# Allegro board reServer industrial J401 Carrier Board v11.brd (continued)
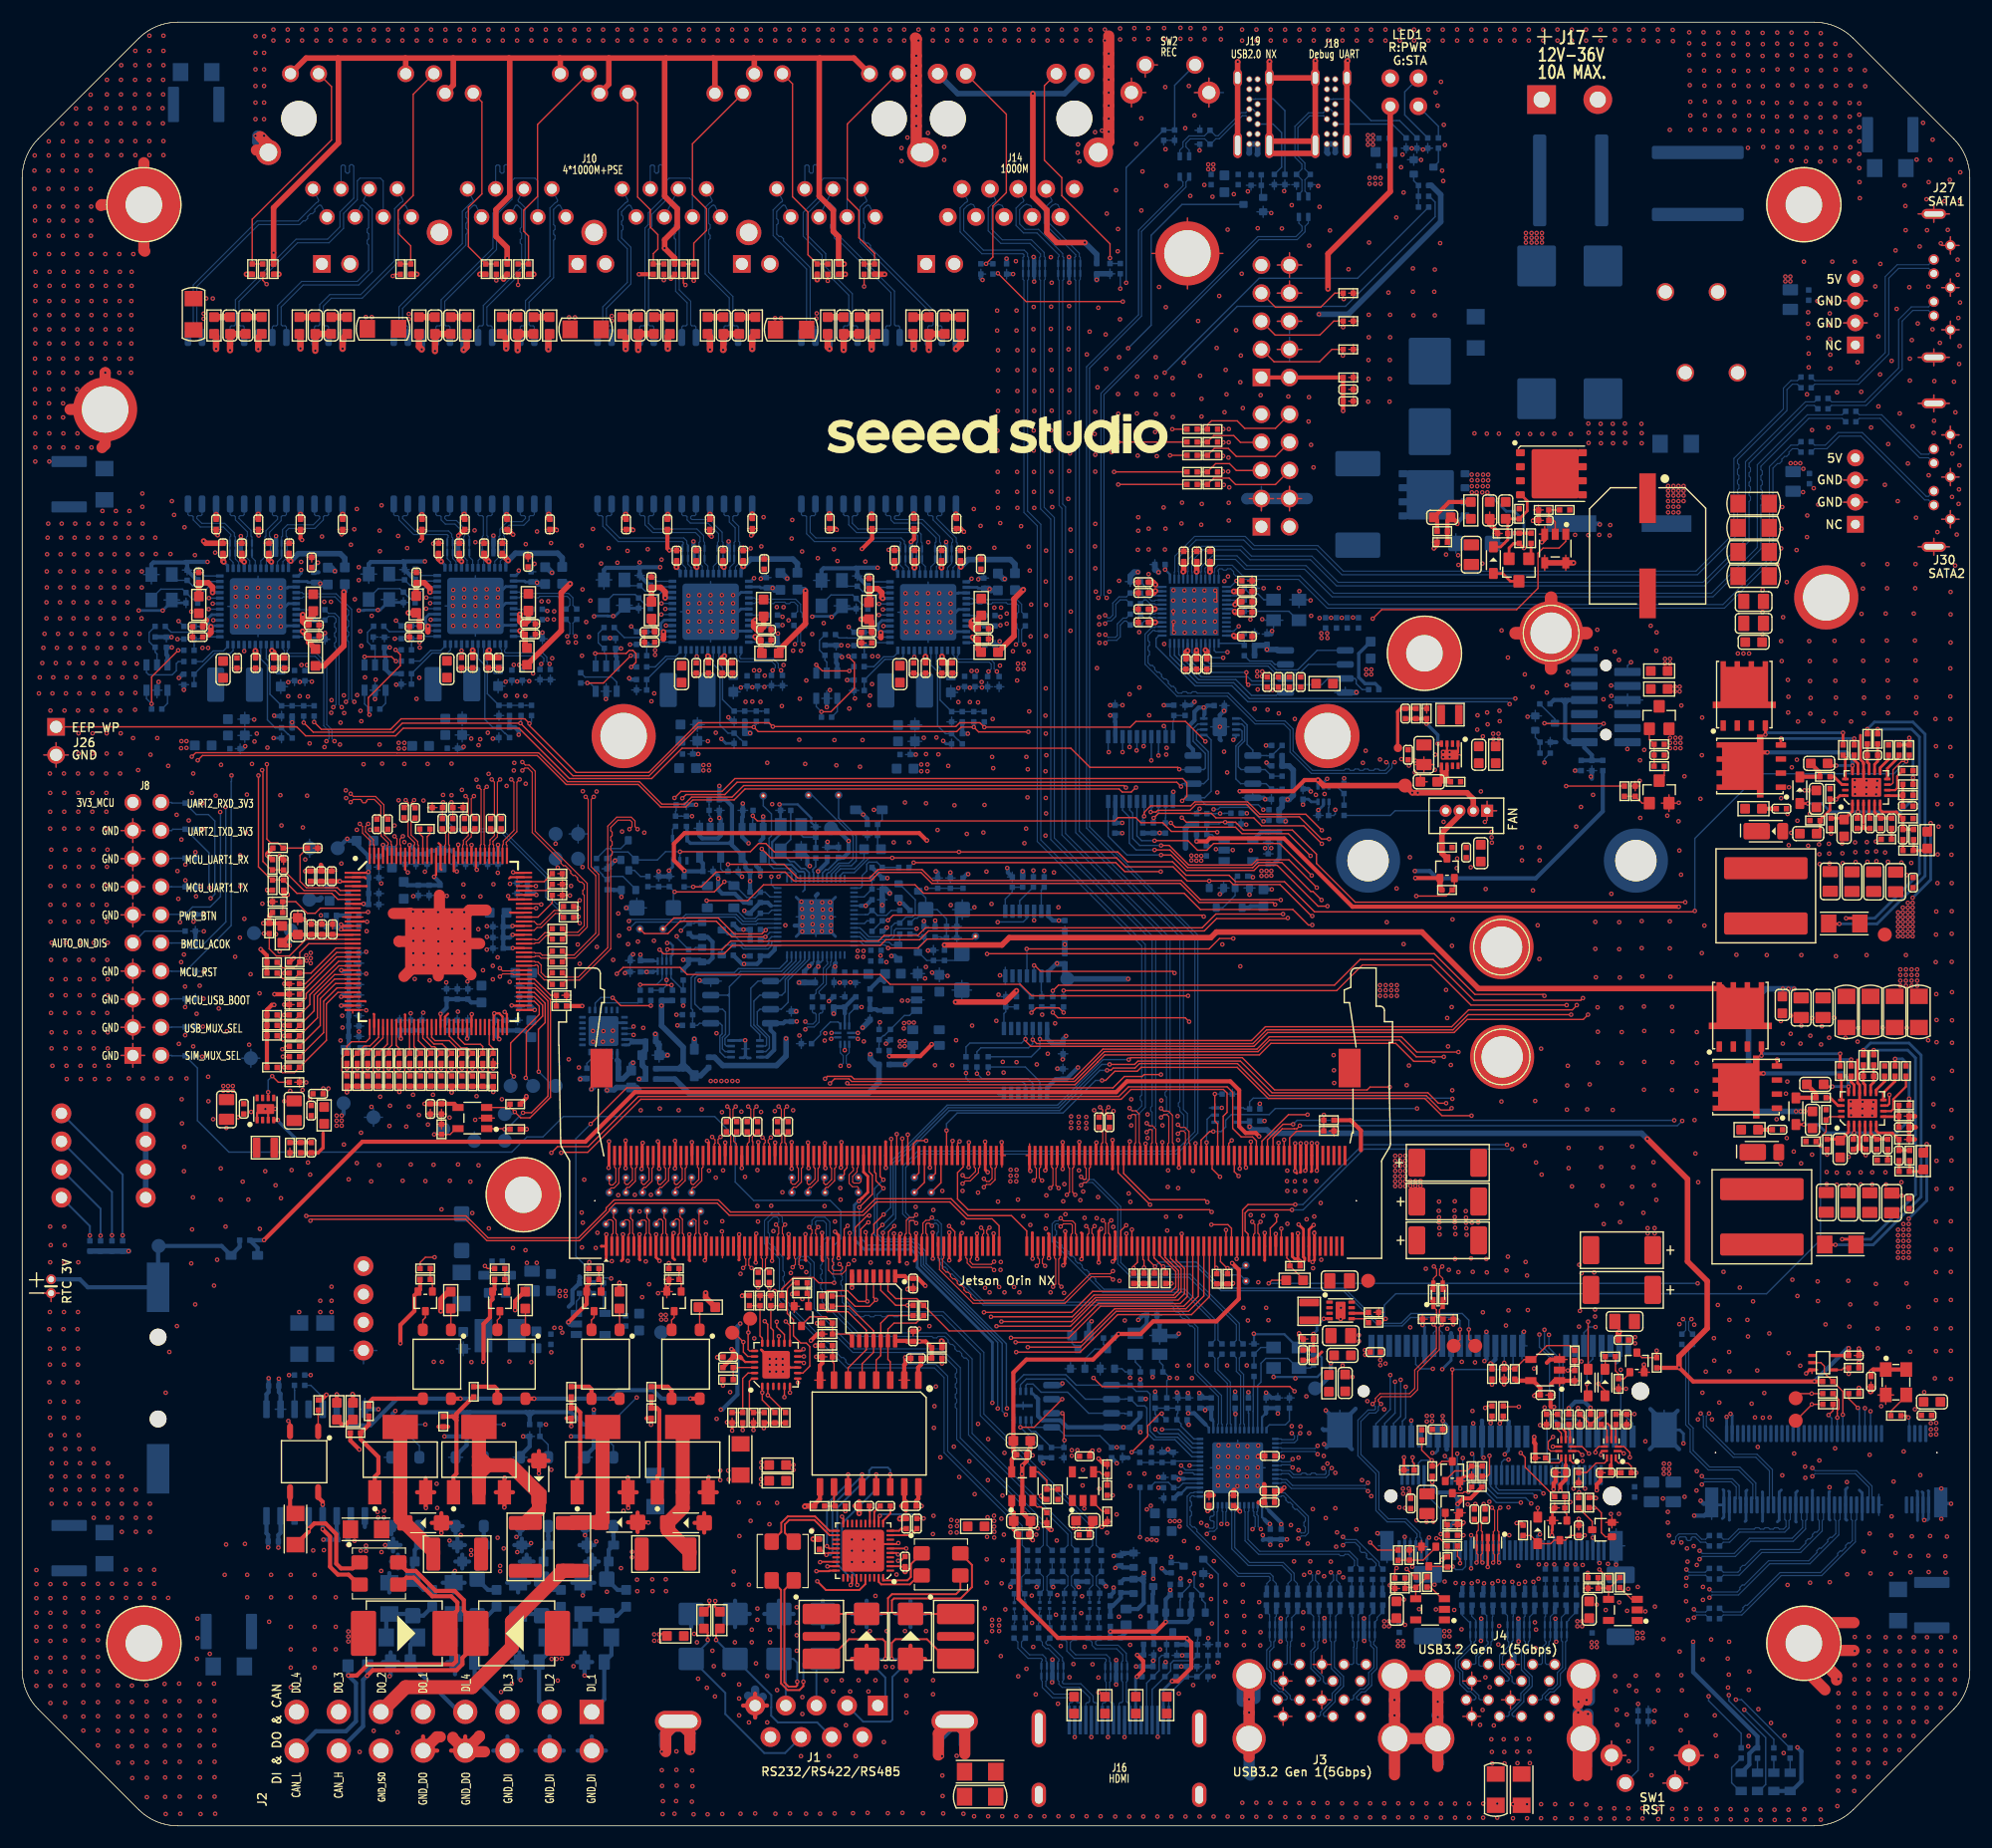
[diagram p0: board, top side]
## Routing (per net, layer and track width the routed paths; a pad name or vN(x,y) marks a point on that pad's centre or on a via; arc(x,y) is an arc through that point) (continued)
GND_DI: length 90.9
  LAY4 w0.381: J2.6 45.13,6.8 ; J2.6 43.85,8.08 ; J2.6 42.57,6.8 ; 46.38,6.8 J2.4 ; J2.4 47.66,8.08 ; J2.4 48.94,6.8 ; 50.19,6.8 J2.2 ; J2.2 52.75,6.8 ; J2.2 51.47,8.08
  GND05 w0.381: J2.2 52.75,6.8 ; J2.2 50.19,6.8 ; J2.2 51.47,8.08 ; J2.6 43.85,8.08 ; J2.6 42.57,6.8 ; J2.6 45.13,6.8 ; 46.38,6.8 J2.4 ; J2.4 48.94,6.8 ; J2.4 47.66,8.08
  BOTTOM w0.381: 44.99,26.34 Q4.2 ; Q4.2 44.36,27.08 ; Q4.2 45.62,27.08 ; R7.2 39.8,14.81 ; R7.2 38.43,14.81 ; R7.2 39.11,13.7 ; R7.2 39.11,15.68 ; J2.6 43.85,8.08 ; J2.6 45.13,6.8 ; J2.6 42.57,6.8 ; 33.95,23.26 C10.2 ; C10.2 33.33,23.89 ; C10.2 33.95,24.51 ; C10.2 34.58,23.89 ; C12.2 45.59,24.51 ; C12.2 46.21,23.89 ; C12.2 44.97,23.89 ; C12.2 45.59,23.26 ; 50.71,21.09 R26.2 ; R26.2 51.7,21.97 ; R26.2 50.71,22.85 ; R26.2 49.72,21.97 ; 50.25,27.08 Q5.2 ; Q5.2 51.52,27.08 ; Q5.2 50.88,26.34 ; 39,21.09 R22.2 ; R22.2 39.99,21.97 ; R22.2 38.01,21.97 ; R22.2 39,22.85 ; 39.77,23.26 C11.2 ; C11.2 39.77,24.51 ; C11.2 40.39,23.89 ; C11.2 39.15,23.89 ; R8.2 44.93,15.68 ; R8.2 44.24,14.81 ; R8.2 44.93,13.3 v1(45.04,13.18) ; R8.2 45.62,14.81 ; 50.86,23.89 C13.2 ; C13.2 52.1,23.89 ; C13.2 51.48,24.51 ; C13.2 51.48,23.26 ; D15.1 34.2,25.37 ; D15.1 33.52,25.95 ; D15.1 32.84,25.37 ; D15.1 33.52,24.8 ; R24.2 45.81,21.97 ; R24.2 44.81,21.09 ; R24.2 44.81,22.85 ; R24.2 43.82,21.97 ; D17.1 45.15,25.95 ; D17.1 44.47,25.37 ; D17.1 45.15,24.8 ; D17.1 45.83,25.37 ; R9.2 v1(50.82,13.59) ; R9.2 50.82,15.68 ; R9.2 50.14,14.81 ; R9.2 51.51,14.81 ; Q3.2 39.81,27.08 ; Q3.2 38.54,27.08 ; Q3.2 39.17,26.34 ; R6.2 33.3,13.62 v1(33.2,13.52) ; R6.2 33.98,14.81 ; R6.2 33.3,15.68 ; R6.2 32.61,14.81 ; D18.1 51.72,25.37 ; D18.1 51.04,24.8 ; D18.1 51.04,25.95 ; D18.1 50.37,25.37 ; D16.1 40.01,25.37 ; D16.1 39.33,25.95 ; D16.1 38.66,25.37 ; D16.1 39.33,24.8 ; R20.2 34.17,21.97 ; R20.2 33.18,21.09 ; R20.2 33.18,22.85 ; 46.38,6.8 J2.4 ; J2.4 48.94,6.8 ; J2.4 47.66,8.08 ; 50.19,6.8 J2.2 ; J2.2 52.75,6.8 ; J2.2 51.47,8.08 ; 32.72,27.08 Q2.2 ; Q2.2 33.36,26.34 ; Q2.2 33.99,27.08
  vias: v1(32.47,24.74) v1(32.45,23.04) v1(32.8,25.37) v1(38.62,25.78) v1(39.1,23.04) v1(39.63,26.29) v1(42.97,26.04) v1(43.28,12.1) v1(43.52,25.07) v1(44.26,12.85) v1(44.66,26.11) v1(44.74,24.74) v1(45.98,25.55) v1(48.4,13.13) v1(49.82,14.43) v1(50.66,20.83) v1(50.86,26.26) v1(51.88,25.7)
GND_DO: length 46.5
  TOP w0.381: 54.75,28.87 Q29.3 ; Q29.3 55.53,30.14 ; Q29.3 53.98,30.14 ; Q29.3 54.75,31.42 ; D64.1 55.62,28.31 ; D64.1 55.62,26.55 ; D64.1 54.74,27.43 ; D64.1 56.49,27.43 ; 37.63,36.07 R313.2 38.49,36.07 ; J2.8 40.04,8.08 ; J2.8 41.32,6.8 ; J2.8 38.76,6.8 ; D62.1 46.7,33.87 ; D62.1 46.7,32.12 ; D62.1 47.57,33 ; D62.1 45.82,33 ; R314.2 29.66,34.82 v1(30.47,34.01) ; 61.22,30.14 Q28.3 ; Q28.3 62.77,30.14 ; Q28.3 61.99,31.42 ; Q30.3 43.58,31.42 ; Q30.3 42.8,30.14 ; Q30.3 43.58,28.87 ; Q30.3 44.36,30.14 ; D63.1 38.76,27.38 ; D63.1 37.01,27.38 ; D63.1 37.89,28.26 ; D63.1 37.89,26.5 ; 35.69,30.14 Q31.3 ; Q31.3 36.47,28.87 ; Q31.3 36.47,31.42 ; Q31.3 37.25,30.14 ; 36.23,8.08 J2.10 37.51,6.8 ; 56.85,36.41 R311.2 56.43,36.83 ; D61.1 61.64,28.26 ; D61.1 61.64,26.5 ; D61.1 60.76,27.38 ; 49.19,36.83 R312.2 49.62,36.41
  TOP w1.016: J2.8 40.14,6.7 41.78,6.7 ; J2.8 41.32,8.08 41.32,8.12 ; J2.8 38.92,7.92 38.92,8 ; J2.10 37.47,8.04 37.79,8.04
  vias: v1(32.12,28.37) v1(32.17,27.86) v1(32.7,28.47) v1(32.68,27.87) v1(36.49,28.73) v1(37.46,30.91) v1(37.51,28.73) v1(37.88,26.47) v1(43.57,28.78) v1(43.6,31.47) v1(46.7,31.85) v1(47.81,32.18) v1(49.62,36.12) v1(52.84,21.16) v1(54.11,23.29) v1(54.34,28.47) v1(54.73,31.47) v1(54.77,28.73) v1(55.56,22.25) v1(55.59,21.21) v1(56.6,27.41) v1(56.83,36.24) v1(56.94,22.28) v1(56.96,21.21) v1(58.16,22.28) v1(58.18,21.21) v1(62.04,31.49) v1(63.09,32.11) v1(63.09,31.24) v1(63.8,32.11) v1(63.85,31.3)
GND_ISO: length 16.3
  TOP w0.127: 58.29,17.47 58.22,17.39 57.87,17.39 ; v1(57.59,16.72) 57.59,17.11 57.87,17.39 ; 57.87,17.39 57.65,17.39 v1(57.56,17.31)
  LAY3 w0.508: J2.12 33.7,6.8 ; J2.12 32.42,8.08 ; J2.12 31.14,6.8
  GND05 w0.635: 31.14,6.8 J2.12 ; J2.12 32.42,8.08 ; J2.12 33.7,6.8
  GND05 w1.27: U10.3 30.76,47.96 28.97,47.96
  BOTTOM w0.381: U7.15 23.35,26.48 23.15,26.29 C14.2 v1(23.15,25.15) ; U7.10 29.7,26.8 29.7,26.8 ; 30.97,27 U7.9
  vias: v1(18.31,22.68) v1(18.43,25.43) v1(20.13,25.48) v1(20.34,22.68) v1(20.34,20.65) v1(22.32,18.44) v1(22.5,22.68) v1(22.5,20.65) v1(24.27,22.68) v1(24.27,20.65) v1(24.27,17.99) v1(24.27,15.95) v1(24.27,14.3) v1(24.27,12.52) v1(25.04,46.43) v1(26.3,24.89) v1(26.43,22.68) v1(26.43,20.65) v1(26.43,17.99) v1(26.43,15.95) v1(26.43,14.3) v1(26.94,47.45) v1(26.94,46.43) v1(27.26,24.92) v1(27.96,48.72) v1(27.96,47.45) v1(27.96,46.43) v1(28.34,20.65) v1(28.34,17.99) v1(28.34,15.95) v1(28.39,12.47) v1(29.45,25.37) v1(29.47,17.58) v1(29.47,17.12) v1(29.47,16.66) v1(30.03,25.75) v1(30.5,6.68) v1(30.59,24.87) v1(31.07,25.32) v1(31.07,24.84) v1(31.77,8.59) v1(33.93,8.46) v1(37.9,55.71) v1(40.68,55.38) v1(42.18,53.99) v1(44.35,52.22) v1(45.48,52.02) v1(45.61,50.88) v1(46.5,50.88) v1(47.84,15.09) v1(48.3,15.09) v1(48.75,15.11) v1(57.11,17.31) v1(57.12,16.73)
GND_SHD1: length 233.1
  TOP w0.508: v1(109.85,159.41) 109.84,159.4 J19.S3 J19.S4 ; 116.85,152.24 J18.S4 116.85,151.14 112.7,151.14 J19.S1 112.7,152.24 ; 116.85,152.24 J18.S3 ; 116.85,152.24 112.7,152.24 ; 112.7,152.24 J19.S2 ; J19.S2 112.7,159.42 v1(112.72,159.44) ; J19.S2 J18.S3 ; v1(116.86,159.49) 116.85,159.48 J18.S3 ; v1(119.78,159.51) 119.71,159.45 J18.S2 J18.S1
  TOP w1.016: 80.8,151.93 v1(80.8,153.61) v1(80.8,154.52) v1(80.8,155.43) v1(80.8,156.33) v1(80.8,157.24) v1(80.8,158.15) v1(80.8,159.05) v1(80.8,159.96) 80.8,161.46 80.79,161.5 80.71,161.57 ; 80.8,151.93 80.8,151.54 J10.S5 ; 80.8,151.93 J14.15 ; 21.53,152.65 22.25,151.94 J10.S1 22.05,151.43 21.17,151.43 ; 37.23,144.47 J10.S2 38.12,144.4 ; 98.19,161.75 v1(98.19,160.15) v1(98.19,158.98) v1(98.19,157.8) v1(98.19,156.63) v1(98.19,155.45) v1(98.19,154.27) v1(98.19,153.1) 98.19,152.22 ; 98.19,152.22 98.19,152.18 J14.16 97.24,151.28 98.19,152.22 ; 65.97,143.67 J10.S4
  PWR02 w0.127: J10.S1 23.58,151.23 ; J10.S1 22.25,152.56 ; J10.S1 20.92,151.23
  PWR02 w0.508: J19.S1 J19.S2 112.7,159.42 v1(112.72,159.44) ; 109.77,159.68 109.84,159.62 J19.S3 J19.S4 ; J18.S4 J18.S3 116.85,159.48 v1(116.86,159.49) ; J18.S1 J18.S2 119.71,159.45 v1(119.78,159.51)
  PWR02 w1.016: J14.15 J10.S5 79.18,151.23 79.18,151.28 ; 21.31,153.1 21.31,152.17 J10.S1
  PWR02 w1.143: 97.24,152.76 J14.16 95.71,151.23 ; 81.49,152.76 J14.15 83.02,151.23
  LAY3 w0.127: 116.85,156.98 J18.S3 116.85,158.94 ; 109.84,158.94 J19.S3 109.84,156.98 ; 20.92,151.23 J10.S1 ; J10.S1 22.25,152.56 ; J10.S1 23.58,151.23 ; 112.7,156.98 J19.S2 112.7,158.94 ; 119.71,156.98 J18.S2 119.71,158.94
  LAY3 w0.508: J19.S1 112.7,156.98 ; J18.S1 119.71,156.98 ; J19.S4 109.84,156.98 ; J18.S4 116.85,156.98
  LAY3 w1.016: J10.S1 21.2,152.29 21.2,153.1 ; J14.15 J10.S5 78.76,151.23 78.76,151.21
  LAY3 w1.143: 97.24,152.76 J14.16 95.71,151.23 ; 83.02,151.23 J14.15 81.49,152.76
  LAY4 w0.127: J10.S4 65.65,145.32 ; J10.S4 66.98,143.99 ; J10.S4 64.32,143.99 ; J10.S4 65.65,142.66 ; 37.71,142.66 J10.S2 ; J10.S2 39.04,143.99 ; J10.S2 36.38,143.99 ; J10.S2 37.71,145.32 ; 50.35,143.99 J10.S3 ; J10.S3 53.01,143.99 ; J10.S3 51.68,142.66 ; J10.S3 51.68,145.32
  LAY4 w1.016: J10.S1 20.07,151.23 20.04,151.26 ; J10.S1 24.41,151.23 24.45,151.27 ; J10.S1 22.25,149.14 22.06,148.95 ; J10.S1 22.25,153.12 22.17,153.2 ; 78.69,151.17 78.69,151.23 J10.S5 J14.15
  LAY4 w1.143: J14.15 83.02,151.23 ; J14.15 81.49,152.76 ; J14.15 81.49,149.7 ; 97.24,152.76 J14.16 95.71,151.23
  GND05 w0.127: 64.32,143.99 J10.S4 ; J10.S4 65.65,145.32 ; J10.S4 65.65,142.66 ; J10.S4 66.98,143.99 ; J10.S2 37.71,145.32 ; J10.S2 37.71,142.66 ; J10.S2 39.04,143.99 ; J10.S2 36.38,143.99 ; J10.S3 51.68,145.32 ; J10.S3 51.68,142.66 ; J10.S3 50.35,143.99 ; J10.S3 53.01,143.99
  GND05 w1.016: 79.28,150.85 79.28,151.23 J10.S5 J14.15 ; J10.S1 22.25,152.98 22.18,153.06 ; J10.S1 22.25,149.43 22.11,149.29 ; J10.S1 20.36,151.23 20.35,151.24 ; J10.S1 24.54,151.23 24.63,151.14
  GND05 w1.143: J14.15 81.49,152.76 ; J14.15 81.49,149.7 ; J14.15 83.02,151.23 ; 95.71,151.23 J14.16 97.24,152.76
  BOTTOM w1.016: 21.29,152.71 21.29,152.19 J10.S1
  vias: v1(16.64,138.03) v1(17.23,138.02) v1(21.08,161.72) v1(21.08,160.23) v1(21.08,158.73) v1(21.08,157.23) v1(21.08,155.73) v1(21.08,154.23) v1(21.08,152.73) v1(21.86,161.72) v1(21.86,160.23) v1(21.86,158.73) v1(21.86,157.23) v1(21.86,155.73) v1(21.86,154.23) v1(21.86,152.73) v1(22.7,162.33) v1(22.7,161.34) v1(24,162.33) v1(24,161.34) v1(25.3,162.33) v1(25.3,161.34) v1(26.59,162.33) v1(26.59,161.34) v1(27.89,162.33) v1(27.89,161.34) v1(29.18,162.33) v1(29.18,161.34) v1(30.48,162.33) v1(30.48,161.34) v1(31.06,136.35) v1(31.59,136.35) v1(31.77,162.33) v1(31.77,161.34) v1(33.07,162.33) v1(33.07,161.34) v1(34.36,162.33) v1(34.36,161.34) v1(35.66,162.33) v1(35.66,161.34) v1(36.95,162.33) v1(36.95,161.34) v1(38.25,162.33) v1(38.25,161.34) v1(39.54,162.33) v1(39.54,161.34) v1(40.84,162.33) v1(40.84,161.34) v1(42.14,162.33) v1(42.14,161.34) v1(43.43,162.33) v1(43.43,161.34) v1(44.73,162.33) v1(44.73,161.34) v1(46.02,162.33) v1(46.02,161.34) v1(47.32,162.33) v1(47.32,161.34) v1(48.61,162.33) v1(48.61,161.34) v1(49.42,136.32) v1(49.91,162.33) v1(49.91,161.34) v1(49.95,136.32) v1(51.2,162.33) v1(51.2,161.34) v1(52.5,162.33) v1(52.5,161.34) v1(53.79,162.33) v1(53.79,161.34) v1(55.09,162.33) v1(55.09,161.34) v1(56.38,162.33) v1(56.38,161.34) v1(57.68,162.33) v1(57.68,161.34) v1(58.98,162.33) v1(58.98,161.34) v1(60.27,162.33) v1(60.27,161.34) v1(61.57,162.33) v1(61.57,161.34) v1(62.86,162.33) v1(62.86,161.34) v1(64.16,162.33) v1(64.16,161.34) v1(65.45,162.33) v1(65.45,161.34) v1(66.75,162.33) v1(66.75,161.34) v1(68.04,162.33) v1(68.04,161.34) v1(68.04,136.25) v1(68.57,136.25) v1(69.34,162.33) v1(69.34,161.34) v1(70.63,162.33) v1(70.63,161.34) v1(71.93,162.33) v1(71.93,161.34) v1(73.23,162.33) v1(73.23,161.34) v1(74.52,162.33) v1(74.52,161.34) v1(75.82,162.33) v1(75.82,161.34) v1(77.11,162.33) v1(77.11,161.34) v1(78.41,162.33) v1(78.41,161.34) v1(79.46,151.62) v1(79.46,150.44) v1(79.7,162.33) v1(79.7,161.34) v1(80,152.57) v1(81,162.33) v1(81,161.34) v1(81.85,152.98) v1(82.29,162.33) v1(82.29,161.34) v1(83.32,151.73) v1(83.32,150.55) v1(83.59,162.33) v1(83.59,161.34) v1(84.88,162.33) v1(84.88,161.34) v1(86.18,162.33) v1(86.18,161.34) v1(87.47,162.33) v1(87.47,161.34) v1(88.77,162.33) v1(88.77,161.34) v1(90.07,162.33) v1(90.07,161.34) v1(91.36,162.33) v1(91.36,161.34) v1(92.66,162.33) v1(92.66,161.34) v1(93.95,162.33) v1(93.95,161.34) v1(95.25,162.33) v1(95.25,161.34) v1(95.42,151.95) v1(95.38,151.2) v1(95.54,150.42) v1(96.54,162.33) v1(96.54,161.34) v1(96.95,153.06) v1(97.58,153.2) v1(97.84,162.33) v1(97.84,161.34) v1(99.21,162.43) v1(99.21,161.44) v1(100.5,162.46) v1(100.5,161.47) v1(101.77,162.46) v1(101.77,161.47) v1(103.19,162.46) v1(103.19,161.47) v1(104.67,162.49) v1(104.67,161.5) v1(105.58,162.46) v1(105.58,161.47) v1(106.85,162.44) v1(106.85,161.44) v1(108.32,162.44) v1(108.32,161.44) v1(110.24,162.33) v1(110.24,161.34) v1(111.53,162.33) v1(111.53,161.34) v1(112.83,162.33) v1(112.83,161.34) v1(114.12,162.33) v1(114.12,161.34) v1(115.42,162.33) v1(115.42,161.34) v1(116.71,162.33) v1(116.71,161.34) v1(118.01,162.33) v1(118.01,161.34) v1(119.3,162.33) v1(119.3,161.34) v1(120.6,162.33) v1(120.6,161.34) v1(121.89,162.33) v1(121.89,161.34) v1(123.19,162.33) v1(123.19,161.34) v1(124.48,162.33) v1(124.48,161.34) v1(125.78,162.33) v1(125.78,161.34) v1(127.08,162.33) v1(127.08,161.34) v1(128.37,162.33) v1(128.37,161.34) v1(129.67,162.33) v1(129.67,161.34) v1(130.96,162.33) v1(130.96,161.34) v1(132.26,162.33) v1(132.26,161.34) v1(133.55,162.33) v1(133.55,161.34) v1(134.85,162.33) v1(134.85,161.34) v1(136.14,162.33) v1(136.14,161.34) v1(137.44,162.33) v1(137.44,161.34) v1(138.73,162.33) v1(138.73,161.34) v1(140.03,162.33) v1(140.03,161.34) v1(141.33,162.33) v1(141.33,161.34) v1(142.62,162.33) v1(142.62,161.34) v1(143.92,162.33) v1(143.92,161.34) v1(145.21,162.33) v1(145.21,161.34) v1(146.51,162.33) v1(146.51,161.34) v1(147.8,162.33) v1(147.83,161.28) v1(148.89,153.27) v1(149.15,162.3) v1(149.17,161.28) v1(150.64,162.08) v1(150.64,161.09) v1(150.64,160.02) v1(150.69,158.63) v1(150.69,157.3) v1(150.74,155.81) v1(150.74,154.56) v1(150.74,153.27) v1(151.93,162.08) v1(151.96,161.04) v1(151.96,160.05) v1(151.99,158.63) v1(152.01,157.25) v1(152.06,155.83) v1(152.06,154.59) v1(152.06,153.29) v1(153.28,162.05) v1(153.31,161.04) v1(153.28,159.97) v1(153.33,158.6) v1(153.36,157.25) v1(153.38,155.76) v1(153.38,154.51) v1(153.38,153.22) v1(154.63,162.05) v1(154.63,161.06) v1(154.63,160) v1(154.68,158.6) v1(154.68,157.28) v1(154.73,155.78) v1(154.73,154.54) v1(154.73,153.24) v1(155.92,162.05) v1(155.95,161.01) v1(155.95,160.02) v1(155.95,151.64) v1(155.97,158.6) v1(156,157.23) v1(156.05,155.81) v1(156.05,154.56) v1(156.05,153.27) v1(157.27,162.03) v1(157.27,159.95) v1(157.29,161.01) v1(157.29,158.68) v1(157.29,157.2) v1(157.29,155.7) v1(157.29,154.46) v1(157.29,153.16) v1(157.32,151.72) v1(158.56,155.7) v1(158.56,154.46) v1(158.54,150.47) v1(158.59,162.05) v1(158.59,161.06) v1(158.59,160) v1(158.61,158.73) v1(158.64,157.28) v1(158.59,153.14) v1(158.61,151.69) v1(159.86,150.5) v1(159.88,162.05) v1(159.91,161.01) v1(159.91,160.02) v1(159.94,158.75) v1(159.96,157.3) v1(159.88,155.73) v1(159.88,154.49) v1(159.91,153.16) v1(159.94,151.72) v1(161.23,162.03) v1(161.26,161.01) v1(161.23,159.95) v1(161.26,158.68) v1(161.21,155.65) v1(161.21,154.41) v1(161.23,153.09) v1(161.26,151.64) v1(161.18,150.42) v1(161.28,157.23) v1(162.53,162) v1(162.55,160.99) v1(162.53,159.92) v1(162.55,158.65) v1(162.5,155.63) v1(162.5,154.38) v1(162.53,153.06) v1(162.55,151.62) v1(162.48,150.4) v1(162.58,157.2) v1(163.85,161.04) v1(163.85,159.97) v1(163.82,155.68) v1(163.82,154.43) v1(163.85,153.11) v1(163.8,150.45) v1(163.87,158.7) v1(163.9,157.25) v1(163.87,151.67) v1(165.17,160) v1(165.14,155.7) v1(165.14,154.46) v1(165.17,153.14) v1(165.12,150.47) v1(165.19,158.73) v1(165.22,157.28) v1(165.19,151.69) v1(166.01,155.65) v1(166.01,154.64) v1(166.01,153.49) v1(166.01,152.22) v1(166.01,151.08) v1(166.01,149.81) v1(166.03,148.54) v1(166.06,147.09) v1(166.51,158.65) v1(166.54,157.2)
GND_SHD2: length 459.1
  TOP w0.127: 141.06,9.57 J4.20 141.06,6.21
  TOP w1.016: 140.53,13.04 140.61,13.12 ; 140.61,13.12 140.61,11.01 ; 140.61,13.12 J4.19 141.37,13.26 ; 58.16,6.71 58.16,8.33 J1.10 ; J1.10 59.12,9.45 ; J1.10 60.34,8.39 60.34,6.89 ; 127.92,5.37 J4.21 ; J4.21 J3.20 ; J4.21 v1(127.92,9.83) v1(127.92,11.22) J4.22 J3.19 v1(124.01,11.38) v1(124.01,9.98) J3.20 ; 111.42,13.02 J3.22 ; J3.22 110.51,13.21 ; J3.22 v1(110.87,11.44) v1(110.87,10.24) J3.21 110.87,6.21 ; J4.20 141.37,8.2 141.37,9.94 ; J4.20 140.62,7.45 140.62,4.54 ; J4.20 140.61,8.34 140.61,10.03 ; J4.20 141.37,7.59 141.37,4.56 ; MH7.1 161,14.2 162.91,12.3 ; MH7.1 162.87,18.37 165.52,18.37 ; MH7.1 161.65,15.85 ; 82.8,6.4 82.8,8.34 83.9,9.45 J1.11 85.18,8.54 85.18,6.5 ; J3.20 124.01,4.61 ; 141.37,13.26 v1(141.37,11.37) ; 141.37,13.26 141.65,12.99 ; 163.95,13.19 163.95,13.55 161.65,15.85 ; 165.52,15.85 161.65,15.85
  PWR02 w1.016: J3.20 v1(124.01,9.98) v1(124.01,11.38) J3.19 J4.22 v1(127.92,11.22) v1(127.92,9.83) J4.21 ; J3.20 124.01,5.01 124.15,4.87 ; J3.20 J4.21 ; 165.42,15.52 161.98,15.52 ; 161.98,15.52 164.34,13.16 164.43,13.16 ; 161.98,15.52 MH7.1 ; 85.23,7.75 85.23,8.49 J1.11 83.35,8.54 83.35,7.62 ; 163.09,12.32 161,14.41 MH7.1 ; MH7.1 162.87,18.37 165.24,18.37 ; 110.89,10.29 110.87,10.27 v1(110.87,10.24) J3.21 110.87,4.67 110.81,4.61 ; 60.01,7.8 60.01,8.72 J1.10 58.21,8.38 58.21,7.57 ; 127.71,4.81 127.92,5.02 J4.21 ; 141.15,4.29 141.06,4.38 J4.20 J4.19 141.04,13.55 141.04,11.23 ; 111.52,11.23 111.52,12.92 J3.22 110.33,13.03 110.33,11.2
  LAY3 w1.016: 111.27,11.43 111.27,13.17 J3.22 ; 110.97,4.98 110.87,5.07 J3.21 v1(110.87,10.24) v1(110.87,11.44) J3.22 ; 161.37,16.13 163.55,13.95 165.07,13.95 ; 161.37,16.13 MH7.1 ; 161.37,16.13 165.65,16.13 ; 162.96,12.27 161,14.23 MH7.1 ; 127.91,4.81 127.92,4.82 J4.21 ; MH7.1 162.94,18.44 165.78,18.44 ; J3.20 124.01,4.71 124.05,4.67 ; J3.20 v1(124.01,9.98) v1(124.01,11.38) J3.19 J4.22 v1(127.92,11.22) v1(127.92,9.83) J4.21 ; J3.20 J4.21 ; 83.23,7.83 83.23,8.41 J1.11 85.54,8.18 85.54,7.65 ; 58.26,7.7 58.26,8.43 J1.10 60.09,8.64 60.09,7.85 ; J3.22 110.46,13.16 110.46,11.38 ; 141,5.52 141.06,5.59 J4.20 J4.19 141.24,13.39
  LAY4 w1.016: J3.20 v1(124.01,9.98) v1(124.01,11.38) J3.19 J4.22 v1(127.92,11.22) v1(127.92,9.83) J4.21 ; J3.20 124.01,5.23 123.97,5.2 ; J3.20 J4.21 ; 58.67,7.65 58.67,8.84 J1.10 60.27,8.46 60.27,7.98 ; MH7.1 162.94,18.44 165.9,18.44 ; MH7.1 161,14.53 162.73,12.8 ; MH7.1 161.29,16.21 ; 161.29,16.21 163.68,13.82 165.42,13.82 ; 161.29,16.21 165.98,16.21 ; 127.64,4.83 127.92,5.11 J4.21 ; 141.29,11.25 141.29,13.34 J4.19 J4.20 141.06,5.43 141.05,5.41 ; 111.29,11.38 111.29,13.15 J3.22 ; 110.41,11.13 110.41,13.11 J3.22 ; 82.82,8.08 82.9,8.08 J1.11 85.46,8.26 85.46,7.85 ; J3.22 v1(110.87,11.44) v1(110.87,10.24) J3.21 110.87,5.11 110.94,5.04
  GND05 w1.016: J4.21 127.92,4.74 127.55,4.37 ; J4.21 J3.20 ; J4.21 v1(127.92,9.83) v1(127.92,11.22) J4.22 J3.19 v1(124.01,11.38) v1(124.01,9.98) J3.20 ; J3.20 124.01,4.91 124.13,4.8 ; 85.31,7.77 85.31,8.41 J1.11 83.15,8.33 83.15,7.72 ; 165.19,18.06 162.56,18.06 MH7.1 ; 58.36,7.93 58.36,8.53 J1.10 60.16,8.57 60.16,8 ; 141.27,11.15 141.27,13.37 J4.19 J4.20 141.06,5.26 140.78,4.98 ; 111.22,11.23 111.22,13.22 J3.22 ; 110.38,11.43 110.38,13.08 J3.22 ; J3.22 v1(110.87,11.44) v1(110.87,10.24) J3.21 110.87,4.87 111.31,4.43 ; MH7.1 161,14.46 162.93,12.52 ; MH7.1 161.67,15.83 ; 164.46,13.82 163.68,13.82 161.67,15.83 ; 161.67,15.83 165.9,15.83
  BOTTOM w0.127: 141.06,6.21 J4.20 141.06,9.57
  BOTTOM w1.016: J3.22 v1(110.87,11.44) v1(110.87,10.24) J3.21 110.87,4.7 110.98,4.59 ; J3.22 110.25,12.95 110.25,11.25 ; J3.22 111.4,13.05 111.4,11.51 ; J3.20 124.01,5.34 124.03,5.32 ; J3.20 J4.21 ; J3.20 v1(124.01,9.98) v1(124.01,11.38) J3.19 J4.22 v1(127.92,11.22) 127.92,11.2 127.93,11.18 ; J1.11 84.63,9.45 85.11,8.97 ; J1.11 82.82,8 82.82,7.32 ; J1.11 85.13,8.59 85.13,7.37 ; J4.21 v1(127.92,9.83) 127.92,9.93 127.86,9.99 ; J4.21 127.92,5.81 128.01,5.72 ; J4.20 141.37,7.58 141.37,5.41 ; J4.20 140.61,7.44 140.61,5.03 ; J4.20 140.61,8.35 v1(140.61,10.24) ; J4.20 141.5,8.33 v1(141.5,10.11) ; 141.62,11.34 141.62,13.01 J4.19 140.63,13.14 v1(140.63,11.21) ; 60.34,7.57 60.34,8.39 J1.10 58.06,8.23 58.06,7.32
  vias: v1(57.8,6.71) v1(57.8,5.03) v1(57.83,3.61) v1(57.9,2.23) v1(57.88,1.06) v1(58.95,1.09) v1(59.12,6.73) v1(59.12,5.06) v1(59.15,3.63) v1(59.1,2.24) v1(60.55,6.68) v1(60.55,5.01) v1(60.57,3.58) v1(60.52,2.19) v1(60.67,1.04) v1(61.94,1.04) v1(63.26,1.07) v1(64.91,1.09) v1(66.24,1.12) v1(68.06,1.09) v1(69.38,1.12) v1(70.83,1.09) v1(72.1,1.09) v1(73.42,1.12) v1(75.07,1.15) v1(76.4,1.17) v1(78.22,1.15) v1(79.54,1.17) v1(81.4,1.15) v1(83.13,6.3) v1(83.15,4.55) v1(83.18,2.69) v1(83.23,1.12) v1(84.45,6.33) v1(85.06,1.09) v1(86.02,0.87) v1(87.29,0.87) v1(88.56,0.87) v1(89.83,0.87) v1(91.1,0.87) v1(92.37,0.87) v1(93.64,0.87) v1(94.91,0.87) v1(96.18,0.87) v1(97.45,0.87) v1(98.77,0.84) v1(100.04,0.84) v1(101.31,0.84) v1(102.58,0.84) v1(103.85,0.84) v1(105.12,0.84) v1(106.39,0.84) v1(107.66,0.84) v1(108.93,0.84) v1(110.25,2.09) v1(110.25,0.82) v1(111.52,2.09) v1(111.52,0.82) v1(112.79,2.09) v1(112.79,0.82) v1(114.14,2.06) v1(114.14,0.79) v1(115.41,2.06) v1(115.41,0.79) v1(116.68,2.06) v1(116.68,0.79) v1(117.95,2.06) v1(117.95,0.79) v1(119.27,2.03) v1(119.27,0.76) v1(120.54,2.03) v1(120.54,0.76) v1(121.81,2.03) v1(121.81,0.76) v1(123.08,2.03) v1(123.08,0.76) v1(124.35,2.03) v1(124.35,0.76) v1(125.62,2.03) v1(125.62,0.76) v1(126.89,2.03) v1(126.89,0.76) v1(128.21,2.01) v1(128.21,0.74) v1(129.48,2.01) v1(129.48,0.74) v1(130.75,2.01) v1(130.75,0.74) v1(132.02,2.01) v1(132.02,0.74) v1(133.29,2.01) v1(133.29,0.74) v1(134.71,1.96) v1(134.71,0.69) v1(135.98,1.96) v1(135.98,0.69) v1(137.25,1.96) v1(137.25,0.69) v1(138.52,1.96) v1(138.52,0.69) v1(140.02,1.96) v1(140.02,0.69) v1(141.34,1.93) v1(141.34,0.66) v1(142.6,1.58) v1(142.61,0.66) v1(143.87,1.58) v1(143.88,0.66) v1(145.14,1.58) v1(145.15,0.66) v1(146.41,1.58) v1(146.42,0.66) v1(147.83,1.53) v1(147.85,0.61) v1(149.1,1.53) v1(149.12,0.61) v1(150.37,1.53) v1(150.39,0.61) v1(151.64,1.53) v1(151.66,0.61) v1(153.11,1.51) v1(153.13,0.59) v1(154.38,1.51) v1(154.4,0.59) v1(155.81,1.46) v1(155.82,0.54) v1(157.08,1.46) v1(157.09,0.54) v1(158.35,1.46) v1(158.36,0.54) v1(159.62,1.46) v1(159.63,0.54) v1(161.04,1.51) v1(161.05,0.59) v1(162.51,1.48) v1(162.53,0.56) v1(164.03,1.78) v1(164.13,13.26) v1(164.13,11.99) v1(164.13,10.72) v1(164.13,9.45) v1(164.13,8.18) v1(164.13,6.91) v1(164.1,5.72) v1(164.1,4.45) v1(164.1,3.18) v1(165.55,5.69) v1(165.55,4.42) v1(165.55,3.15) v1(165.6,17.07) v1(165.6,15.8) v1(165.6,14.53) v1(165.57,13.24) v1(165.57,11.97) v1(165.57,10.7) v1(165.57,9.43) v1(165.57,8.16) v1(165.57,6.89) v1(166.87,17.07) v1(166.87,15.8) v1(166.87,14.53) v1(166.84,13.24) v1(166.84,11.97) v1(166.84,10.7) v1(166.84,9.43) v1(166.84,8.16) v1(166.84,6.89) v1(166.82,5.69) v1(166.82,4.42) v1(168.37,13.21) v1(168.37,11.94) v1(168.37,10.67) v1(168.37,9.4) v1(168.37,8.13) v1(168.37,6.86) v1(168.34,5.67) v1(168.39,17.05) v1(168.39,15.78) v1(168.39,14.51) v1(169.66,17.05) v1(169.66,15.78) v1(169.66,14.51) v1(169.64,13.21) v1(169.64,11.94) v1(169.64,10.67) v1(169.64,9.4) v1(169.64,8.13) v1(169.64,6.86) v1(170.93,17.05) v1(170.93,15.78) v1(170.93,14.51) v1(170.91,13.21) v1(170.91,11.94) v1(170.91,10.67) v1(170.91,9.4) v1(170.91,8.13) v1(172.13,17.05) v1(172.13,15.78) v1(172.13,14.51) v1(172.1,13.21) v1(172.1,11.94) v1(172.1,10.67) v1(172.1,9.4) v1(173.37,13.21) v1(173.37,11.94) v1(173.37,10.67) v1(173.4,17.05) v1(173.4,15.78) v1(173.4,14.51) v1(174.67,17.05) v1(174.67,15.78) v1(174.67,14.51) v1(174.64,13.21) v1(174.64,11.94)
GND_SHD3: length 119.7
  TOP w1.016: MH2.1 11,142.39 11.09,142.3 ; MH2.1 11,150.29 ; MH2.1 7.19,146.5 7.12,146.43 ; 7.22,124.55 7.5,124.84 MH12.1 ; MH12.1 4.33,128 ; MH12.1 7.5,131.31 v1(7.51,131.32)
  PWR02 w1.016: 6.62,124.35 7.5,125.23 MH12.1 ; 4.63,127.94 4.69,128 MH12.1 ; 11,150.29 MH2.1 ; MH2.1 11,142.45 11.05,142.39 ; MH2.1 7.15,146.5 ; MH12.1 7.5,130.39 ; MH12.1 9.65,128
  LAY3 w1.016: 7.51,125.45 7.5,125.45 MH12.1 ; MH12.1 7.5,130.39 ; MH12.1 5.07,128 5.06,128.01 ; MH12.1 9.63,128 ; 10.99,142.54 11,142.55 MH2.1 ; 7.11,146.5 MH2.1 ; MH2.1 11,150.29
  LAY4 w1.016: 5.03,128.01 5.03,128 MH12.1 ; MH12.1 7.5,125.37 7.52,125.35 ; MH12.1 9.53,128 ; MH12.1 7.5,130.26 ; 11.02,150.27 11,150.26 MH2.1 ; MH2.1 7.3,146.5 ; MH2.1 11,142.52 11,142.52
  GND05 w1.016: 11,150.29 MH2.1 ; MH2.1 7.15,146.5 ; MH2.1 11,142.54 10.95,142.49 ; MH12.1 9.63,128 ; MH12.1 7.5,130.47 ; MH12.1 4.33,128 ; MH12.1 7.5,125.2 7.55,125.15
  BOTTOM w1.016: MH12.1 7.5,125.17 7.47,125.14 ; MH12.1 4.78,128 4.74,128.04 ; MH12.1 7.5,130.4 ; MH12.1 9.59,128
  vias: v1(1.13,150.95) v1(1.11,149.58) v1(1.11,147.93) v1(1.16,146.33) v1(1.16,145.06) v1(1.13,143.69) v1(1.16,142.04) v1(1.16,132.59) v1(1.16,131.32) v1(1.16,129.82) v1(1.16,128.55) v1(1.16,127.28) v1(1.21,140.44) v1(1.21,139.17) v1(1.19,137.8) v1(1.19,136.53) v1(1.19,135.23) v1(1.19,133.96) v1(1.19,125.83) v1(1.19,124.56) v1(1.19,123.29) v1(2.4,152.22) v1(2.4,150.95) v1(2.38,149.58) v1(2.38,147.93) v1(2.43,146.33) v1(2.43,145.06) v1(2.4,143.69) v1(2.43,142.04) v1(2.46,137.8) v1(2.46,136.53) v1(2.46,135.23) v1(2.46,133.96) v1(2.43,132.59) v1(2.43,131.32) v1(2.43,129.82) v1(2.43,128.55) v1(2.43,127.28) v1(2.46,125.83) v1(2.46,124.56) v1(2.46,123.29) v1(2.48,140.44) v1(2.48,139.17) v1(3.62,153.82) v1(3.65,149.58) v1(3.65,147.93) v1(3.67,152.22) v1(3.67,150.95) v1(3.7,146.33) v1(3.7,145.06) v1(3.67,143.69) v1(3.7,142.04) v1(3.75,140.44) v1(3.75,139.17) v1(3.73,137.8) v1(3.73,136.53) v1(3.73,135.23) v1(3.73,133.96) v1(3.7,132.59) v1(3.7,131.32) v1(3.7,129.82) v1(3.7,128.55) v1(3.7,127.28) v1(3.73,125.83) v1(3.73,124.56) v1(4.87,155.2) v1(4.89,153.82) v1(4.94,152.22) v1(4.94,150.95) v1(4.92,149.58) v1(4.92,147.93) v1(4.97,146.33) v1(4.97,145.06) v1(4.94,143.69) v1(4.97,142.04) v1(4.97,132.59) v1(4.97,131.32) v1(4.97,129.82) v1(5.02,140.44) v1(5.02,139.17) v1(5,137.8) v1(5,136.53) v1(5,135.23) v1(5,133.96) v1(5,125.83) v1(5,124.56) v1(6.14,155.2) v1(6.16,153.82) v1(6.19,156.44) v1(6.21,152.22) v1(6.21,150.95) v1(6.19,149.58) v1(6.19,147.93) v1(6.24,146.33) v1(6.24,145.06) v1(6.21,143.69) v1(6.24,142.04) v1(6.27,137.8) v1(6.27,136.53) v1(6.27,135.23) v1(6.27,133.96) v1(6.24,132.59) v1(6.24,131.32) v1(6.27,124.56) v1(6.29,140.44) v1(6.29,139.17) v1(7.51,142.04) v1(7.56,140.44) v1(7.56,139.17) v1(7.54,137.8) v1(7.54,136.53) v1(7.54,135.23) v1(7.54,133.96) v1(7.51,132.59) v1(7.66,157.79) v1(7.66,156.47) v1(7.61,155.22) v1(7.64,153.85) v1(7.69,152.25) v1(7.69,150.98) v1(8.78,142.04) v1(8.83,140.44) v1(8.83,139.17) v1(8.81,137.8) v1(8.81,136.53) v1(8.81,135.23) v1(8.81,133.96) v1(8.78,132.59) v1(8.78,131.32) v1(8.96,159.11) v1(8.93,157.79) v1(8.93,156.47) v1(8.88,155.22) v1(8.91,153.85) v1(8.96,152.25) v1(8.96,150.98) v1(9.87,137.8) v1(9.87,136.53) v1(9.87,135.23) v1(9.87,133.96) v1(9.84,132.59) v1(9.84,131.32) v1(9.9,140.44) v1(9.9,139.17) v1(10.05,142.04) v1(10.15,155.22) v1(10.23,160.4) v1(10.23,159.11) v1(10.2,157.79) v1(10.2,156.47) v1(10.18,153.85) v1(10.23,152.25) v1(10.23,150.98) v1(11.42,155.22) v1(11.45,153.85) v1(11.5,161.78) v1(11.5,160.4) v1(11.5,159.11) v1(11.47,157.79) v1(11.47,156.47) v1(11.5,152.25) v1(11.5,150.98) v1(12.77,161.78) v1(12.77,160.4) v1(12.77,159.11) v1(12.74,157.79) v1(12.74,156.47) v1(12.69,155.22) v1(12.72,153.85) v1(12.77,152.25) v1(12.77,150.98)
GND_SHD4:
  vias: v1(1.29,23.12) v1(1.29,21.85) v1(1.29,20.58) v1(1.29,19.26) v1(1.29,17.99) v1(1.29,16.72) v1(1.29,15.19) v1(1.29,13.92) v1(1.29,12.65) v1(2.56,21.85) v1(2.56,20.58) v1(2.56,19.26) v1(2.56,17.99) v1(2.56,16.72) v1(2.56,15.19) v1(2.56,13.92) v1(2.56,12.65) v1(2.56,11.1) v1(3.88,21.87) v1(3.88,20.6) v1(3.88,19.28) v1(3.88,18.01) v1(3.88,16.74) v1(3.88,15.22) v1(3.88,13.95) v1(3.88,12.68) v1(3.88,11.13) v1(3.88,9.86) v1(5.53,21.85) v1(5.53,20.58) v1(5.53,19.31) v1(5.53,18.04) v1(5.53,16.77) v1(5.53,15.24) v1(5.53,13.97) v1(5.53,12.7) v1(5.53,11.15) v1(5.53,9.88) v1(5.53,8.61) v1(6.85,21.87) v1(6.85,20.6) v1(6.85,19.33) v1(6.85,18.06) v1(6.85,16.79) v1(6.85,15.27) v1(6.85,14) v1(6.85,12.73) v1(6.85,11.18) v1(6.85,9.91) v1(6.85,8.64) v1(6.85,7.27) v1(8.12,21.87) v1(8.12,20.6) v1(8.65,12.68) v1(8.65,11.2) v1(8.65,8.56) v1(8.65,7.19) v1(8.68,9.88) v1(8.68,5.72) v1(9.39,23.14) v1(9.39,21.87) v1(9.39,20.6) v1(9.92,12.68) v1(9.92,11.2) v1(9.95,9.88) v1(9.92,8.56) v1(9.92,7.19) v1(9.95,5.72) v1(9.95,4.32) v1(10.66,23.14) v1(10.66,21.87) v1(10.66,20.6) v1(11.24,12.7) v1(11.24,11.23) v1(11.27,9.91) v1(11.24,8.59) v1(11.24,7.22) v1(11.27,5.74) v1(11.27,4.35) v1(11.27,2.59) v1(11.93,23.14) v1(11.93,21.87) v1(11.93,20.6) v1(12.87,12.83) v1(12.9,11.25) v1(12.92,9.93) v1(12.9,8.61) v1(12.9,7.24) v1(12.92,5.77) v1(12.92,4.37) v1(12.92,2.62) v1(12.97,1.07) v1(13.2,20.6) v1(14.19,12.85) v1(14.22,11.28) v1(14.24,9.96) v1(14.22,8.64) v1(14.22,7.27) v1(14.24,5.79) v1(14.24,4.4) v1(14.24,2.64) v1(14.29,1.09) v1(15.84,18.72) v1(15.84,16.97) v1(15.79,15.09) v1(16.02,12.83) v1(16.04,11.25) v1(16.07,9.93) v1(16.04,8.61) v1(16.04,7.24) v1(16.07,5.77) v1(16.07,4.37) v1(16.07,2.62) v1(16.12,1.07) v1(16.96,15.55) v1(17.34,12.85) v1(17.37,11.28) v1(17.37,8.64) v1(17.37,7.27) v1(17.39,9.96) v1(17.39,5.79) v1(17.39,4.4) v1(17.39,2.64) v1(17.44,1.09)